# Altium PCB Allwinner_A13_BRD.PcbDoc (part 5 of 5)
Units mil, origin at the board's own origin, x right, y up, seen from the top; angles counter-clockwise.
Board outline 3937 x 2895 mil, 4 copper layers (Top Layer, power, gnd, Bottom Layer), stack 68.553 mil thick; 348 components, 338 nets, 1570 pads, 834 vias.
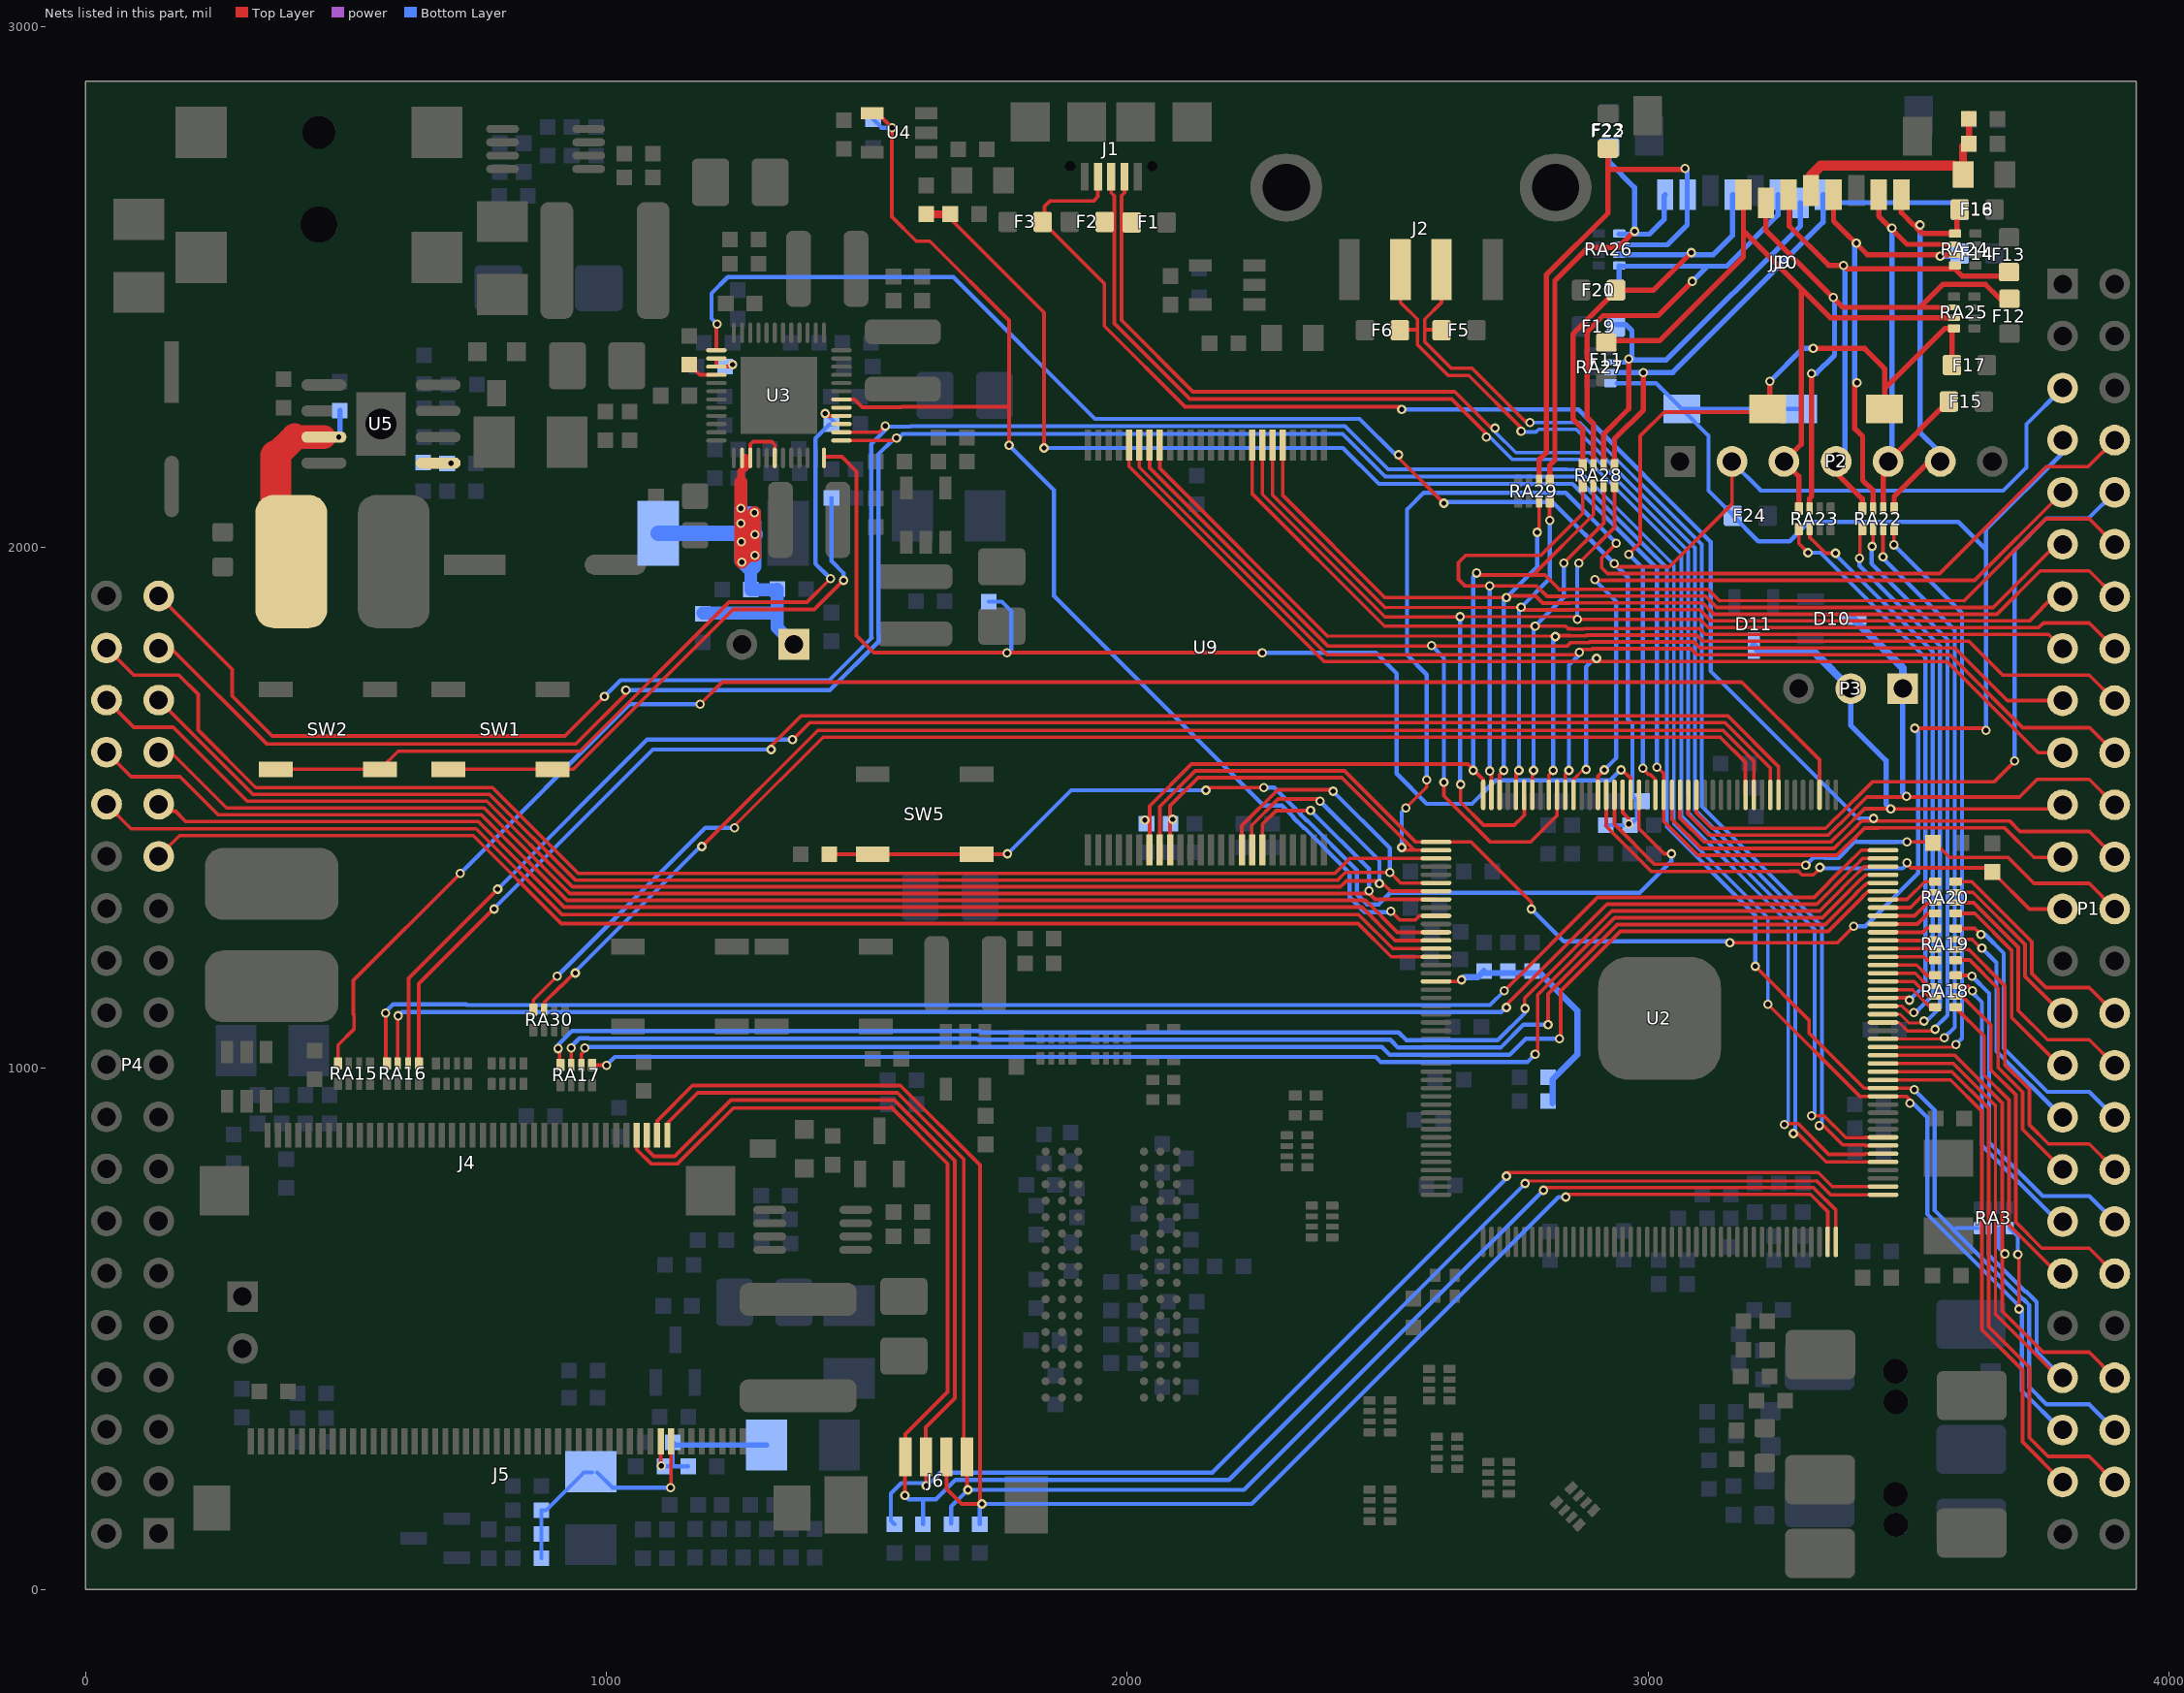
[diagram p7: the nets of this part, all layers, seen from the top]

## Via types
v1: diameter 18, hole 10, Top Layer to Bottom Layer, tented both sides, 765 vias
v2: diameter 18/18/18/18 (per signal layer), hole 10, Top Layer to Bottom Layer, tented both sides, 41 vias
v3: diameter 25.98, hole 15.75, Top Layer to Bottom Layer, 16 vias
v4: diameter 39.37, hole 19.68, Top Layer to Bottom Layer, tented both sides, 8 vias
v5: diameter 18, hole 10, Top Layer to Bottom Layer, 3 vias
v6: diameter 157.48, hole 118.11, Top Layer to Bottom Layer, tented both sides, 1 vias

## Nets (pads, with @x,y where several pads share a name; then routed paths per layer and width w, separated by ;. In a path a pad name is that pad's centre, name@x,y a point inside that pad or via, vN(x,y) a via of type N, cw(c..) or ccw(c..) an arc to the next point about the centre after c; other vN are vias at no path point) (continued)
NetRA15_8: RA15.8 U2.135 | length 3353.9
  Top Layer w7: RA15.8@484.49,1009.69 484.49,1044.73 515,1075.24 515,1102.8 514,1103.8 514,1169 v1(719,1374) ; v1(1179.62,1699) 1222.31,1741.69 3180,1741.69 3329.09,1592.6 U2.135@3329.09,1525.13
  Bottom Layer w8: v1(719,1374) 1044,1699 v1(1179.62,1699)
NetRA16_5: RA16.5 U2.140 | length 3076.7
  Top Layer w7: RA16.5@639.51,1009.69 639.51,1162.51 783,1306 v1(784,1306) ; v1(1316,1612) 1316,1617 1315,1618 1373.69,1676.69 3153.07,1676.69 3250.35,1579.42 U2.140@3250.35,1525.13
  Bottom Layer w8: v1(784,1306) 784,1307 1089,1612 v1(1316,1612)
NetRA16_6: RA16.6 U2.141 | length 3069.3
  Top Layer w7: RA16.6@618.84,1009.69 620,1010.84 620,1173 v1(791,1344) ; v1(1357,1631) 1358,1631 1390.69,1663.69 3147.69,1663.69 3234.6,1576.78 U2.141@3234.6,1525.13
  Bottom Layer w8: v1(791,1344) 1078,1631 v1(1357,1631)
NetRA16_7: RA16.7 U2.130 | length 3078.4
  Top Layer w7: RA16.7@599.16,1009.69 v1@599.16,1100.16 ; v1(2728,1117) 2725.5,1119.5 2921,1315 3324.2,1315 3360.11,1350.91 3360.11,1351.61 3398.67,1390.18 3399.38,1390.18 3412.29,1403.09 U2.130@3451.13,1403.09
  Bottom Layer w8: v1(600,1101) 607,1108 2718,1108 2729,1119 2728,1120 v1(2728,1117)
NetRA16_8: RA16.8 U2.131 | length 3112.7
  Top Layer w7: v1(576,1106) 576,1012.17 RA16.8@578.49,1009.69 ; v1(2724,1149) 2903,1328 3318.82,1328 3347.11,1356.29 3347.11,1357 3393.28,1403.18 3393.99,1403.18 3409.65,1418.83 U2.131@3451.13,1418.83
  Bottom Layer w7: 730,1123 731.5,1121.5 2696.5,1121.5 v1(2724,1149)
  Bottom Layer w8: v1(576,1106) 573,1106 590,1123 730,1123 ; v1(2724,1149) v1@2724,1152
NetRA17_5: RA17.5 U2.128 | length 2703
  Top Layer w7: RA17.5@972.51,1006.69 973.2,1006 v1(1000,1006) ; v1(2783,1027) 2788,1032 2788,1141.23 2935.77,1289 3334.97,1289 3386.11,1340.14 3386.11,1340.84 3409.44,1364.18 3410.15,1364.18 3417.56,1371.59 U2.128@3451.13,1371.59
  Bottom Layer w8: v1(1000,1006) 1016,1022 2477,1022 2487,1012 2768,1012 v1(2783,1027)
NetRA17_6: RA17.6 U2.126 | length 2722.2
  Top Layer w7: RA17.6@951.84,1006.69 951.84,1027.84 961,1037 959,1039 v1(958,1039) ; v1(2830,1057) 2832,1059 2832,1148.46 2946.54,1263 3346,1263 3412.11,1329.11 3412.11,1330.07 3420.21,1338.18 3421.18,1338.18 3423.09,1340.09 U2.126@3451.13,1340.09
  Bottom Layer w8: v1@959,1039 v1(958,1039) 960,1041 2489,1041 2504,1026 2734,1026 2765,1057 v1(2830,1057)
NetRA17_7: RA17.7 U2.127 | length 2734.3
  Top Layer w7: v1(932,1039) 932.16,1038.84 RA17.7@932.16,1006.69 ; v1(2808,1084) 2808,1142.85 2941.15,1276 3340.35,1276 3399.11,1334.75 3399.11,1335.46 3414.82,1351.18 3415.53,1351.18 3420.2,1355.84 U2.127@3451.13,1355.84
  Bottom Layer w8: v1(932,1039) 932,1042 948,1058 965.87,1058 966.87,1057 1711.33,1057 1713.33,1055 2505,1055 2520,1040 2716.8,1040 2760.8,1084 v1(2808,1084)
NetRA17_8: RA17.8 U2.129 | length 2759.6
  Top Layer w7: v1(907,1038) 908,1038 910,1036 910,1008.17 RA17.8@911.49,1006.69 ; v1(2764,1115) 2763,1116 2763,1134.62 2930.38,1302 3329.59,1302 3373.11,1345.52 3373.11,1346.23 3404.05,1377.18 3404.76,1377.18 3414.92,1387.34 U2.129@3451.13,1387.34
  Bottom Layer w8: v1(907,1038) 907,1045 934,1072 1716.13,1072 1719.13,1069 2521,1069 2536,1054 2711,1054 2764,1107 v1(2764,1115)
NetRA18_5: RA18.5 U2.117 | length 110.4
  Top Layer w7: U2.117@3449.13,1198.36 3515.79,1198.36 3535.64,1178.51 RA18.5@3551.31,1178.51
NetRA18_6: RA18.6 U2.116 | length 112.4
  Top Layer w7: U2.116@3449.13,1182.61 3513.16,1182.61 3537.77,1158 3551.16,1158 RA18.6@3551.31,1157.84
NetRA18_7: RA18.7 U2.115 | length 114.2
  Top Layer w7: U2.115@3449.13,1166.87 3510.52,1166.87 3539.38,1138 3551.16,1138 RA18.7@3551.31,1138.16
NetRA18_8: RA18.8 U2.114 | length 116.1
  Top Layer w6: 3507.88,1151.12 RA18.8@3541.51,1117.49
  Top Layer w7: U2.114@3449.13,1151.12 3507.88,1151.12 ; RA18.8@3541.51,1117.49 RA18.8@3551.31,1117.49
NetRA19_5: RA19.5 U2.121 | length 105.6
  Top Layer w7: U2.121@3449.13,1261.35 3527.35,1261.35 3535,1269 3550.83,1269 RA19.5@3551.31,1268.51
NetRA19_6: RA19.6 U2.120 | length 103.5
  Top Layer w7: U2.120@3449.13,1245.61 3548.08,1245.61 RA19.6@3551.31,1248.84
NetRA19_7: RA19.7 U2.119 | length 102.5
  Top Layer w7: U2.119@3449.13,1229.86 3550.62,1229.86 RA19.7@3551.31,1229.16
NetRA19_8: RA19.8 U2.118 | length 104.9
  Top Layer w7: U2.118@3449.13,1214.11 3529.89,1214.11 3536.51,1207.49 RA19.8@3551.31,1207.49
NetRA20_5: RA20.5 U2.125 | length 116.3
  Top Layer w7: U2.125@3449.13,1324.35 3497.35,1324.35 3531.51,1358.51 RA20.5@3551.31,1358.51
NetRA20_6: RA20.6 U2.124 | length 114.4
  Top Layer w7: U2.124@3449.13,1308.6 3503.6,1308.6 3533,1338 3551.16,1338 RA20.6@3551.31,1337.84
NetRA20_7: RA20.7 U2.123 | length 112.7
  Top Layer w7: U2.123@3449.13,1292.85 3511.85,1292.85 3537.16,1318.16 RA20.7@3551.31,1318.16
NetRA20_8: RA20.8 U2.122 | length 110.6
  Top Layer w7: U2.122@3449.13,1277.1 3517.1,1277.1 3537.49,1297.49 RA20.8@3551.31,1297.49
NetRA22_5: RA22.5 U2.111 | length 1113.7
  Top Layer w6: U2.111@3451.13,1103.87 3484.51,1103.87 3501.38,1087 v1@3526,1087
  Top Layer w7: v1(3406,1979) 3407,1980 3407,2030.83 RA22.5@3411.49,2035.31 ; v1@3526,1087 v1(3530,1091)
  Bottom Layer w8: v1(3406,1979) 3406,1965 3560.74,1810.26 3560.74,1117 3534.74,1091 v1(3530,1091)
NetRA22_6: RA22.6 U2.110 | length 1148.1
  Top Layer w6: U2.110@3451.13,1088.13 3481.87,1088.13 3498,1072 v1@3547,1072
  Top Layer w7: v1(3430,2002) 3428,2002 3432.16,2006.16 RA22.6@3432.16,2035.31 ; v1@3547,1072 3548,1071 3551,1074 v1(3551,1075)
  Bottom Layer w8: v1(3430,2002) 3429,2001 3429,1969 3574.74,1823.26 3574.74,1101.74 3548,1075 v1@3548,1078
NetRA22_7: RA22.7 U2.108 | length 1161.8
  Top Layer w6: U2.108@3451.13,1056.63 3566.63,1056.63 v1(3569,1059)
  Top Layer w7: v1(3451,1982) 3451,2034.47 RA22.7@3451.84,2035.31
  Bottom Layer w8: v1(3451,1982) 3449.69,1980.69 3588.74,1841.64 3588.74,1078.74 v1(3569,1059)
NetRA22_8: RA22.8 U2.107 | length 1190.5
  Top Layer w6: U2.107@3451.13,1040.88 v1@3585.88,1040.88
  Top Layer w7: v1(3472,2005) 3472,2034.8 RA22.8@3472.51,2035.31 ; v1@3585.88,1040.88 v1(3591,1046)
  Bottom Layer w8: v1(3472,2005) 3602.74,1874.26 3602.74,1057.74 v1(3591,1046)
NetRA23_5: RA23.5 U2.113 | length 1084.5
  Top Layer w7: RA23.5@3289.49,2035.31 3289.49,2007.51 v1(3307,1990) ; U2.113@3451.13,1135.37 3497.63,1135.37 v1(3502,1131)
  Bottom Layer w8: v1(3307,1990) 3331,1990 3532.74,1788.26 3532.74,1161.74 v1(3502,1131)
NetRA23_6: RA23.6 U2.112 | length 1149.9
  Top Layer w6: U2.112@3451.13,1119.62 3487.92,1119.62 3500.54,1107 v1(3510,1107)
  Top Layer w7: RA23.6@3310.16,2035.31 3310.16,2019.84 3341,1989 v1(3360,1989) ; 3310.6,2019 RA23.6@3310.6,2035.31
  power w8: v1(3510,1107) 3511.54,1107 3513.54,1109 v1@3515.54,1107 ; v1@3516,1106.54 v1@3515.54,1107 ; v1@3517.27,1107.73 3514.82,1107.73 v1@3515.54,1107
  Bottom Layer w7: v1@3513,1107 v1@3513,1110
  Bottom Layer w8: v1(3360,1989) 3357.38,1989 3546.74,1799.64 3546.74,1140.74 v1@3513,1107
NetRA30_3: RA30.3 U2.143 | length 2644
  Top Layer w7: RA30.3@880.16,1112.69 880.16,1126.16 912,1158 912.87,1158 937.87,1183 v1(940,1183) ; v1(1183,1426) 1406,1649 3143.99,1649 3203.1,1589.89 U2.143@3203.1,1525.13
  Bottom Layer w8: v1(940,1183) 940,1186 1180,1426 v1(1183,1426)
NetRA30_4: RA30.4 U2.144 | length 2640.3
  Top Layer w6: v1(1246,1462) 1246,1466 1416,1636
  Top Layer w7: RA30.4@859.49,1112.69 859.49,1131.49 v1(905,1177) ; 1416,1636 3138.61,1636 3187,1587.61 3187,1525.49 U2.144@3187.35,1525.13
  Bottom Layer w8: v1(905,1177) 1190,1462 v1(1246,1462)
NMI_N: R16.2 U2.158 U3.48 | length 2331.1
  Top Layer w7: U3.48@1417.61,2180.61 U3.48@1417.61,2171.92 1419.69,2174 1452,2174 1480,2146 1480,1831 1513,1798 v1(2259,1798) ; v1(2948,1573) 2950,1573 2966.88,1556.12 U2.158@2966.88,1525.13
  Bottom Layer w8: R16.2@1734,1896 1759,1896 1777,1878 1777,1803 1772,1798 v1(1769,1798) ; v1(2259,1798) 2477,1798 2517,1758 2517,1566 2575,1508 2662,1508 2707,1553 2927,1553 v1@2947,1573
PB2/PWM: P1.47 U2.103 | length 990.7
  Top Layer w7: U2.103@3451.13,977.89 3580.84,977.89 3641,917.73 3641,498.62 3719,420.62 3719,283 P1.47@3796,206
PB3/IR_TX: P1.10 U2.150 | length 1354.4
  Top Layer w7: U2.150@3092.87,1525.13 3092.87,1490.52 3122.38,1461 3340.8,1461 3360.98,1481.18 3361.68,1481.18 3430.51,1550 3664,1550 v1(3704,1590)
  Bottom Layer w8: v1(3704,1590) 3704,1995 3765,2056 3846,2056 P1.10@3896,2106
PB4/IR_RX: P1.48 U2.104 | length 1096.2
  Top Layer w7: U2.104@3451.5,994 U2.104@3451.13,993.64 3583.48,993.64 3654,923.11 3654,504 3732,426 3732,291 3768,255 3847,255 P1.48@3896,206
PC0/SPI0_MOSI: P4.31 U2.8 U9.18 | length 2923.3
  Top Layer w7: P4.31@140,1607 163.38,1607 270.38,1500 764.85,1500 929.37,1335.47 2464.53,1335.47 2475.65,1324.35 U2.8@2592.87,1324.35 ; U9.18@2259.27,1419.22 2259.27,1468.5 2285.77,1495 v1(2352,1495)
  Bottom Layer w8: v1(2352,1495) 2464,1383 v1(2464,1341)
PC1/SPI0_MISO: P4.34 U2.7 U9.17 | length 3112.7
  Top Layer w7: P4.34@40,1707 92,1655 168,1655 310,1513 770.23,1513 934.76,1348.47 2409.24,1348.47 2420.77,1360 v1@2478,1360 ; U9.17@2239.58,1419.22 2239,1419.8 2239,1466.62 2289.38,1517 2366,1517 v1(2370,1513) ; v1(2484,1355) 2487,1352 2494,1352 2505.91,1340.09 U2.7@2592.87,1340.09
  Bottom Layer w8: v1(2370,1513) 2484,1399 v1(2484,1355)
PC2/SPI0_CLK: P4.33 U2.6 U9.16 | length 3063.2
  Top Layer w7: P4.33@140,1707 321,1526 775.62,1526 940.14,1361.47 2403.86,1361.47 2418.38,1376 v1(2504,1376) 2505,1376 2525.16,1355.84 U2.6@2592.87,1355.84 ; U9.16@2219.9,1419.22 2220,1419.32 2220,1466 2289,1535 2392,1535 v1(2395,1532)
  Bottom Layer w8: v1(2395,1532) 2504,1423 v1(2504,1376)
PC3/SPI0_CS0: P4.36 U2.3 | length 2784.1
  Top Layer w7: P4.36@40,1807 92,1755 179,1755 216,1718 216,1649.38 326.38,1539 781,1539 945.53,1374.47 2398.47,1374.47 2427.09,1403.09 U2.3@2592.87,1403.09
PC4: P1.8 R51.1 U2.2 U9.9 | length 3005.6
  Top Layer w7: U9.9@2082.1,1419.22 2082.1,1504.1 2136,1558 2412,1558 2551,1419 ; v1(2527,1424) 2532,1419 2551,1419 ; v1(2535,1500) 2575,1540 v1(2575,1554) ; U2.2@2592.87,1418.83 2592.7,1419 2551,1419 ; v1(2939,2008) 2911,1980 2911,1961 2922,1950 3560,1950 3765,2155 3845,2155 P1.8@3896,2206
  Bottom Layer w8: R51.1@2083,1470 2083,1474 v1(2087,1478) ; v1(2527,1424) 2527,1492 v1(2535,1500) ; v1(2575,1554) 2575,1756 2537,1794 2537,2073 2569,2105 2842,2105 v1(2939,2008)
PC5: F24.1 J10.9 J10.10 P1.7 RA27.8 U2.1 U9.8 | length 3960.4
  Top Layer w7: U9.8@2062.42,1419.22 2062.42,1502.8 2130.62,1571 2417.38,1571 2553.8,1434.58 U2.1@2592.87,1434.58 2660.42,1434.58 2776,1319 v1(2776,1306) ; v1(3157,1241) 3363,1241 v1(3395,1273) ; v1(3512,1653) 3645,1653 v1(3649,1649)
  Bottom Layer w8: v1(2776,1306) 2838,1244 3154,1244 v1(3157,1241) ; 2939.69,2315.49 3015.06,2315.49 J10.9@3064.71,2265.84 ; F24.1@3162.54,2061 3211.54,2012 3272,2012 3309,2049 3596,2049 3649,1996 ; F24.1@3162.54,2067 3158,2067 3116,2109 3116,2214.55 J10.9@3064.71,2265.84 ; J10.10@3289.12,2265.84 J10.9@3064.71,2265.84 ; v1(3395,1273) 3417,1273 3518.74,1374.74 3518.74,1646.26 ; v1(3512,1653) 3516,1649 v1@3516,1646.26 ; v1(3649,1649) 3649,1996 ; P1.7@3796,2206 3796,2181.37 3649,2034.37 3649,1996
PC6/SDC2_CMD: P1.12 R50.1 RA28.6 U2.176 U9.7 | length 2743
  Top Layer w6: 3137.08,1898 3607,1898
  Top Layer w7: v1(2033.56,1476.54) 2035.02,1478 2042.73,1478 2042.73,1503.73 2123,1584 2654,1584 2683.42,1554.58 U2.176@2683.42,1525.13 ; U9.7@2042.73,1419.22 2042.73,1476.54 ; v1(2671,1951) 2675,1947 2779,1947 ; RA28.6@2895.16,2118.31 2895.16,2063.16 2779,1947 ; 3137.08,1898 3115.58,1919.5 2840.18,1919.5 2839.68,1919 2829,1919 2829,1920 2802,1947 2779,1947 ; 3607,1898 3764,2055 3847,2055 P1.12@3896,2006
  Bottom Layer w8: v1(2664,1572) 2664,1944 v1(2671,1951)
PC7/SDC2_CLK: P1.11 RA28.5 U2.175 | length 1997.5
  Top Layer w7: v1(2696,1571) 2699.17,1567.83 U2.175@2699.17,1525.13 ; RA28.5@2874.49,2118.31 2874.49,2065.49 2794,1985 2650,1985 2636,1971 2636,1939 2649,1926 v1(2696,1926) 2786,1926 2806,1906 2845.07,1906 2845.57,1906.5 3110.19,1906.5 3131.69,1885 3663,1885 3784,2006 P1.11@3796,2006
  Bottom Layer w8: v1(2696,1571) v1(2696,1926)
PC8/SDC2_D0: P1.14 RA29.7 U2.174 U9.29 | length 2441.1
  Top Layer w7: U9.29@2298.64,2196.78 2298.64,2099.52 2494.15,1904 v1(2728,1904) 2731,1907 2784,1907 2798,1893 2850.45,1893 2850.95,1893.5 3104.81,1893.5 3126.31,1872 3670,1872 3753,1955 3847,1955 P1.14@3896,1906 ; U2.174@2714.91,1525.13 2714.91,1563.91 v1(2723,1572) ; v1(2787,2029) 2790.84,2032.84 RA29.7@2790.84,2088.31
  Bottom Layer w8: v1(2723,1572) 2723,1899 v1(2728,1904) 2787,1963 v1(2787,2029)
PC9/SDC2_D1: P1.13 RA29.8 U2.172 U9.30 | length 2327.4
  Top Layer w6: 2494.77,1885 v1(2756,1885)
  Top Layer w7: U9.30@2278.95,2196.78 2278.95,2100.82 2494.77,1885 ; U2.172@2746.41,1525.13 2746.41,1566.41 v1(2752,1572) ; v1(2756,1885) 2761,1880 2855.84,1880 2856.34,1880.5 3099.42,1880.5 3120.92,1859 3732,1859 3779,1906 P1.13@3796,1906 ; RA29.8@2811.51,2088.31 2811,2087.8 v1(2811,2052) v1@2814,2055
  Bottom Layer w8: v1(2752,1572) 2752,1881 v1(2756,1885) 2811,1940 v1(2811,2052)
PC10/SDC2_D2: P1.16 RA28.8 U2.171 U9.31 | length 2692.2
  Top Layer w6: v1(2639,1867) v1@2859,1867
  Top Layer w7: U9.31@2259.27,2196.78 2259.27,2102.12 2494.69,1866.69 2638.69,1866.69 v1(2639,1867) ; v1(2640,1545) 2640,1511 2684,1467 2743,1467 2762.16,1486.16 U2.171@2762.16,1525.13 ; v1@2859,1867 v1(2864,1862) 3099.54,1862 3115.54,1846 3750,1846 3759,1855 3847,1855 P1.16@3896,1806 ; v1(2867,1970) 2935.51,2038.51 RA28.8@2935.51,2118.31
  Bottom Layer w8: v1(2639,1867) 2639,1546 v1(2640,1545) ; v1(2864,1862) 2864,1965 2863,1966 v1(2867,1970)
PC11/SDC2_D3: P1.15 RA28.7 U2.170 U9.32 | length 2423.7
  Top Layer w6: 2494,1849 v1(2783,1849)
  Top Layer w7: U9.32@2239.58,2196.78 2239.58,2103.42 2494,1849 ; U2.170@2777.91,1525.13 2777.91,1569.91 v1(2780,1572) ; v1(2783,1849) 2842,1849 2847,1844 2855.84,1844 2856.34,1843.5 2876.18,1843.5 2877.18,1844.5 3098.65,1844.5 3110.15,1833 3769,1833 P1.15@3796,1806 ; v1(2838,1970) 2914.84,2046.84 RA28.7@2914.84,2118.31
  Bottom Layer w8: v1(2780,1572) 2780,1846 v1(2783,1849) 2838,1904 v1(2838,1970)
PC12/SDC2_D4: P1.18 U2.168 U9.41 | length 2374
  Top Layer w6: 2384.15,1830 v1@2822,1830
  Top Layer w7: U9.41@2062.42,2196.78 2062.42,2151.74 2384.15,1830 ; U2.168@2809.4,1525.13 2809.4,1563.4 v1(2818,1572) ; v1@2822,1830 2823,1831 2850.45,1831 2850.95,1830.5 2881.57,1830.5 2882.57,1831.5 3093.27,1831.5 3104.77,1820 3616,1820 3681,1755 3847,1755 P1.18@3896,1706
  Bottom Layer w8: v1(2818,1572) 2818,1825 v1(2822,1829)
PC13/SDC2_D5: P1.17 U2.167 U9.42 | length 2601.5
  Top Layer w6: 2384.77,1811 2845,1811
  Top Layer w7: U9.42@2042.73,2196.78 2042.73,2153.04 2384.77,1811 ; v1(2608,1549) 2608,1523.2 2696.2,1435 2774.87,1435 2825.15,1485.28 U2.167@2825.15,1525.13 ; 2845,1811 2851.5,1817.5 2886.95,1817.5 2887.95,1818.5 3087.88,1818.5 3099.38,1807 3589,1807 3690,1706 P1.17@3796,1706
  Bottom Layer w8: v1(2584,1812) 2608,1788 v1(2608,1549)
PC14/SDC2_D6: P1.20 U2.166 U9.43 | length 2435.1
  Top Layer w6: 2383.38,1794 v1@2868,1794
  Top Layer w7: U9.43@2023.05,2196.78 2023.05,2154.34 2383.38,1794 ; U2.166@2840.9,1525.13 2840.9,1564.9 v1(2848,1572) ; v1(2868,1799) 2873.5,1804.5 2892.34,1804.5 2893.34,1805.5 3082.5,1805.5 3094,1794 3579.38,1794 3719.38,1654 3848,1654 P1.20@3896,1606
  Bottom Layer w8: v1(2848,1572) 2848,1774 2868,1794 v1(2868,1799)
PC15/SDC2_D7: P1.19 U2.165 U9.44 | length 2347
  Top Layer w6: 2378,1781 3574,1781 ; U2.165@2856.65,1554.65 v1@2876,1574
  Top Layer w7: U9.44@2003.36,2196.78 2003.36,2155.64 2378,1781 ; U2.165@2856.65,1525.13 U2.165@2856.65,1554.65 ; v1@2876,1574 v1(2881,1574) ; 3574,1781 3749,1606 P1.19@3796,1606
  Bottom Layer w8: v1(2881,1574) 2881,1771 2897,1787 v1(2901,1787)
PC19: P1.9 U2.162 | length 1414.2
  Top Layer w7: v1(2898,1938) 2899,1937 3627,1937 P1.9@3796,2106 ; U2.162@2903,1524.24 U2.162@2904,1523.24 ; U2.162@2903.89,1525.13 2903.89,1560.89 v1(2916,1573)
  Bottom Layer w8: v1(2898,1938) 2898,1937 2939,1896 2939,1596 v1(2916,1573)
PE0/CSI_PLCK: P1.39 RA18.1 | length 601.6
  Top Layer w7: RA18.1@3590,1116.8 3645,1061.8 3645,987.27 3693,939.27 3693,699.62 3786.62,606 P1.39@3796,606
PE1/CSI_MCLK: P1.40 RA18.2 | length 719.6
  Top Layer w7: RA18.2@3590.69,1138.16 3590.84,1138 3604,1138 3658,1084 3658,997.23 3706,949.23 3706,705 3756,655 3847,655 P1.40@3896,606
PE2/CSI_HSYNC: P1.37 RA18.3 | length 561.6
  Top Layer w7: RA18.3@3590.69,1157.84 3614.16,1157.84 v1(3623,1149)
  Bottom Layer w8: v1(3623,1149) 3619,1149 3641,1127 3641,852 3787,706 P1.37@3796,706
PE3/CSI_VSYNC: P1.38 RA18.4 | length 668.6
  Top Layer w7: RA18.4@3590.69,1178.51 3620.07,1178.51 v1(3621.74,1176.84)
  Bottom Layer w8: v1(3621.74,1176.84) 3622.03,1176.84 3655,1143.87 3655,857.8 3757.8,755 3847,755 P1.38@3896,706
PE4/CSI_D0: P1.35 RA19.1 | length 502.9
  Top Layer w7: RA19.1@3590.69,1207.49 3591.2,1208 3617.46,1208 3672,1153.46 3672,1001.62 3719,954.62 3719,883 P1.35@3796,806
PE5/CSI_D1: P1.36 RA19.2 | length 609
  Top Layer w7: RA19.2@3590.69,1228.16 3590.84,1228 3615.84,1228 3685,1158.84 3685,1007 3732,960 3732,892 3769,855 3847,855 P1.36@3896,806
PE6/CSI_D2: P1.33 RA19.3 | length 446.7
  Top Layer w6: 3622.16,1247.84 v1@3639,1231
  Top Layer w7: RA19.3@3590.84,1248 RA19.3@3590.69,1247.84 3622.16,1247.84 ; v1@3639,1231 v1(3641,1231)
  Bottom Layer w8: v1(3641,1231) 3669,1203 3669,1033 P1.33@3796,906
PE7/CSI_D3: P1.34 RA19.4 | length 562.7
  Top Layer w7: RA19.4@3590.69,1268.51 3627.49,1268.51 3638.01,1257.99 3637.02,1257 v1(3639,1257)